# Altium PCB Cueing-PCB-Mk3_552024.PcbDoc (continued)
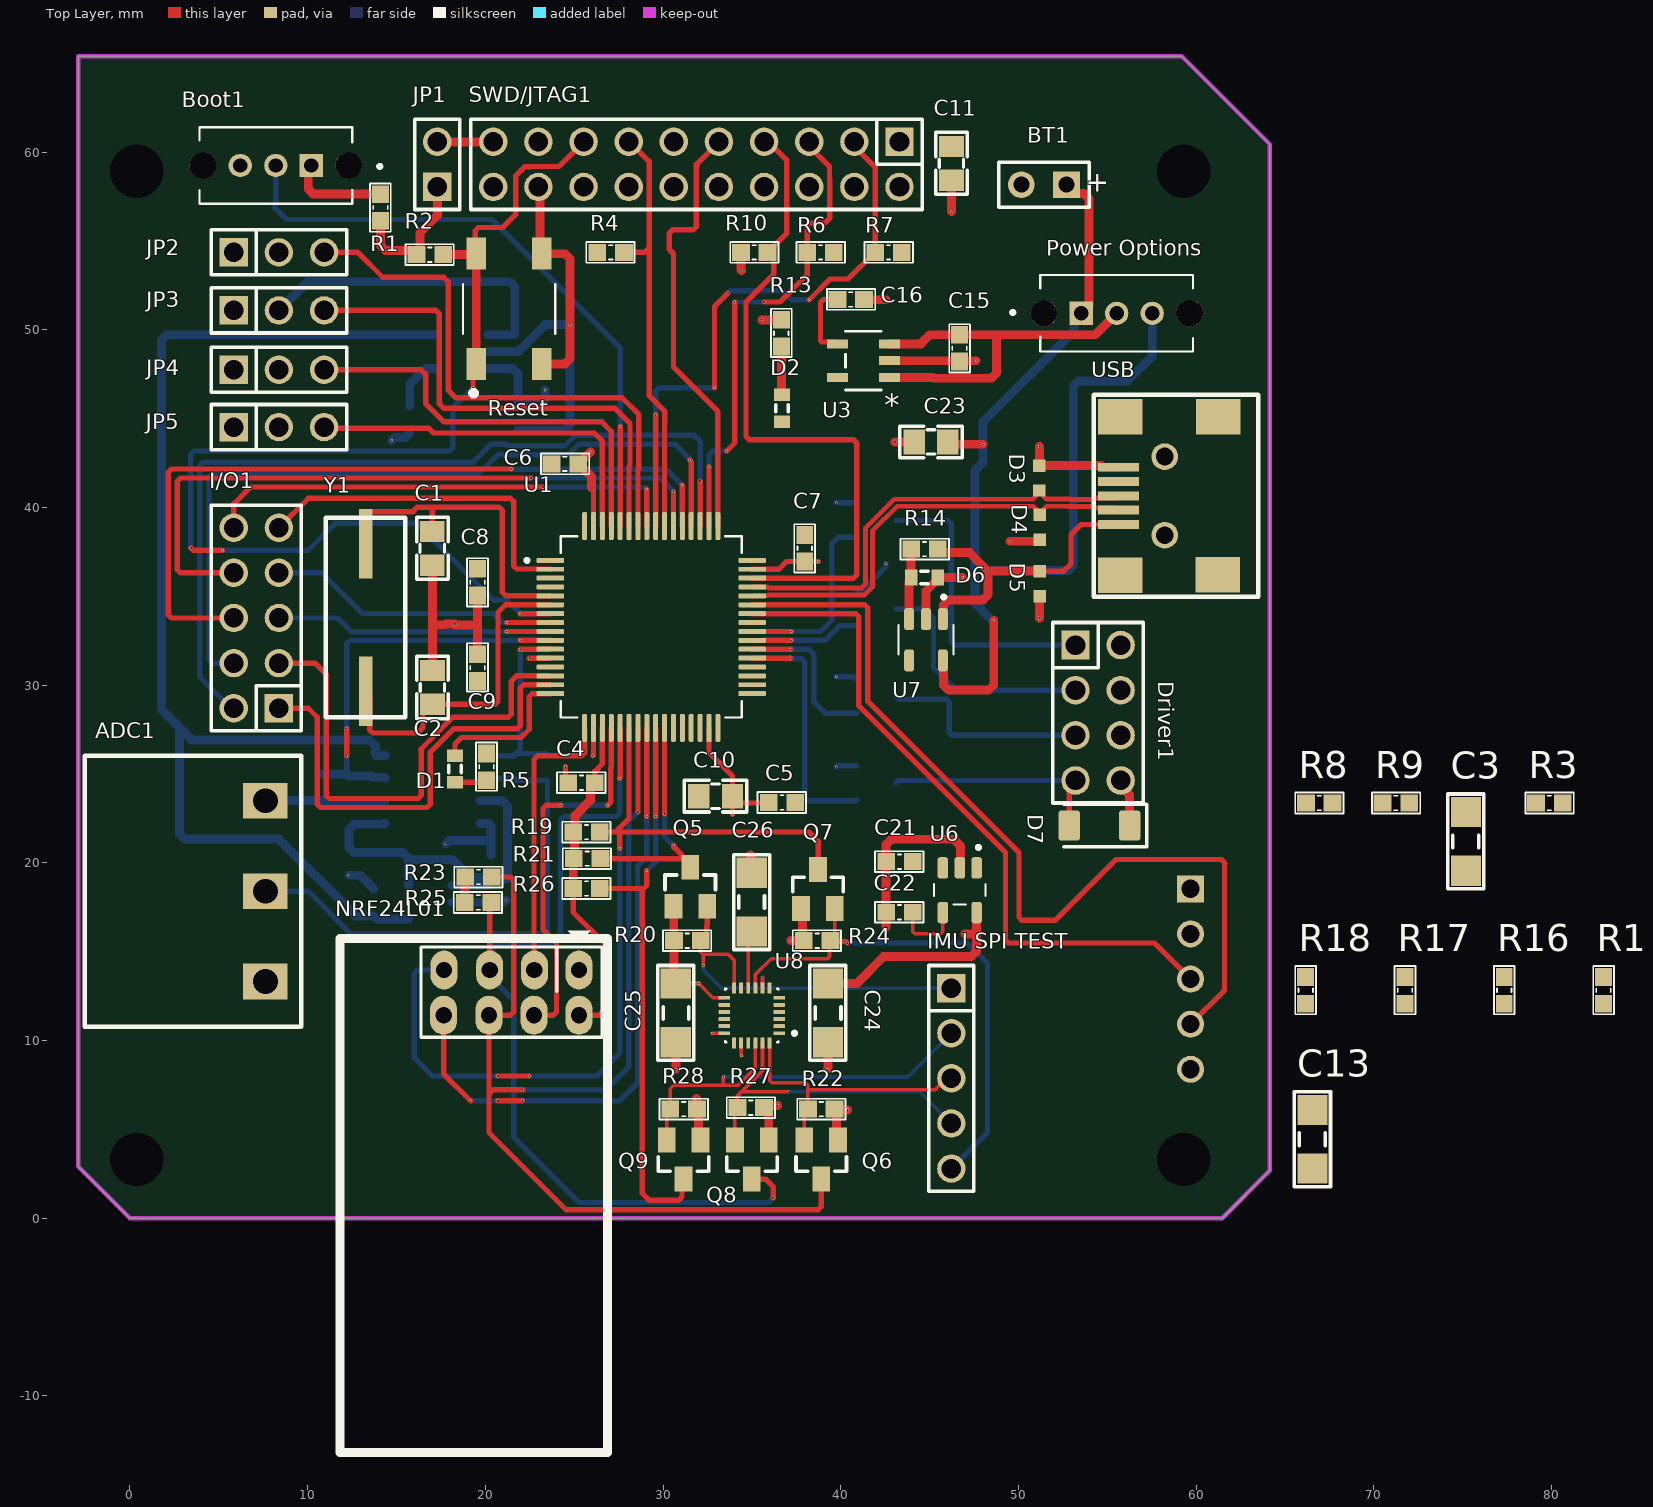
[diagram p0: Top Layer view]
## Footprints (in the part's own frame and the unit in brackets; to place one, negate y for a bottom-side part, rotate by r counter-clockwise, add the part's x,y. Pads: shape width x height; smd on the part's side, far side on the other; paste and mask are expansions set on the pad) (continued)
  silkscreen extent -4.9,-2.6 1.4,2.6
"tro smd 0603" [mm] "Chip Capacitor, 2-Leads, Body 1,60x0,80mm, IPC Medium Density"
  rect 1x0.95 smd mask+0.076: 1(-0.75,0) 2(0.75,0)
  silkscreen extent -1.35,-0.58 1.37,0.58, body extent -0.82,-0.42 0.82,0.43, height 0.44
"tu 0603" [mm] "Chip Capacitor, 2-Leads, Body 1,60x0,80mm, IPC Medium Density"
  rect 1x0.95 smd mask+0.076: 1(-0.75,0) 2(0.75,0)
  silkscreen extent -1.35,-0.58 1.37,0.58, body extent -0.8,-0.4 0.8,0.4, height 0.9
"tu 0805" [mm] "Compoment SMD 80x50mil"
  rect 1.2x1.4 smd: 1(-0.946,-0.003) 2(0.954,-0.003)
  silkscreen extent -1.75,-0.89 1.75,0.89, body extent -1.01,-0.64 1.01,0.63, height 0.61
"tu 1206" [mm]
  rect 1.7x1.7 smd: 1(-1.65,0) 2(1.65,0)
  silkscreen extent -2.67,-1.02 2.67,1.02, body extent -1.57,-0.8 1.63,0.8, height 0.94
TVS_AVRL161A1R1NTA [mm]
  rect 0.7x0.7 smd: 1(-0.7,0) 2(0.7,0)
  body extent -0.8,-0.4 0.8,0.4, height 0.95

## Part data
ADC1: "Cắm", Chung_Loai=Cắm, Don_Vi=Con, Ma_Hang=MH000760, Ten_Linh_Kien="CON 3 2EDG5.08-3P 5.08MM ( Xanh Cong)"
Boot1 "Power Options": "Switch Slide ON ON SPDT Top Slide 0.1A 12VDC 10000Cycles PC Pins Thru-Hole Bulk", Package=None, Availability=Unavailable, MF="{'manufacturer': u'C&K'}", MP=OS102011MS2QN1, Price=None
BT1: "Multicell Battery", LatestRevisionDate=17-Jul-2002, LatestRevisionNote="Re-released for DXP Platform.", PackageDescription="Battery; 2 Leads", PackageReference=BAT-2, Published=24-Mar-1999, Publisher="Altium Limited"
C1 C2: library part "Tu 0805 20pF 50V 10%", "Dán", Chung_Loai=Dán, Don_Vi=Con, Ma_Hang=MH004558, So_Chan=2, Ten_Linh_Kien="Tụ 0805 20P 10% 50V"
C3 C24 C25 C26: library part "Tu 1206 104 50V 20%", "Dán", Chung_Loai=Dán, Don_Vi=Con, Ma_Hang=MH004544, So_Chan=2, Ten_Linh_Kien="Tụ 1206 104-0.1uF 20% 50V"
C4 C5 C6 C7 C8 C9: library part "Tu 0603 103 50V 10%", "Dán", Chung_Loai=Dán, Don_Vi=Con, Ma_Hang=MH004567, So_Chan=2, Ten_Linh_Kien="Tụ 0603 103-10nF 10% 50V"
C10 C11: library part "Tu 0805 225 25V 10%", "Dán", Chung_Loai=Dán, Don_Vi=Con, Ma_Hang=MH007483, So_Chan=2, Ten_Linh_Kien="Tụ 0805 225-2.2uF 25V 10%"
C12 C14: library part "Tu 0603 470pF 50V 10%", "Dán", Chung_Loai=Dán, Don_Vi=Con, Ma_Hang=MH004571, So_Chan=2, Ten_Linh_Kien="Tụ 0603 470P 50V 10%"
C13: library part "Tu 1206 105 50V 20%", "Dán", Chung_Loai=Dán, Don_Vi=Con, Ma_Hang=MH004545, So_Chan=2, Ten_Linh_Kien="Tụ 1206 105-1uF 20% 50V"
C15 C16 C17 C18 C19 C20 C21 C22: library part "Tu 0603 105 16V 20%", "Dán", Chung_Loai=Dán, Don_Vi=Con, Ma_Hang=MH004574, So_Chan=2, Ten_Linh_Kien="Tụ 0603 105-1uF 20% 16V"
C23: library part "Tu 0805 10pF 50V 10%", "Dán", Chung_Loai=Dán, Don_Vi=Con, Ma_Hang=MH004554, So_Chan=2, Ten_Linh_Kien="Tụ 0805 10P 10% 50V"
D1 D2 D6: library part Diode, "Default Diode", PackageDocument=Sep-1996, Code_JEDEC=DO-214-AB, LatestRevisionDate=17-Jul-2002, LatestRevisionNote="Re-released for DXP Platform.", PackageReference=SMC, Published=8-Jun-2000, Publisher="Altium Limited"
D3 D4 D5 U2 U6 U7: Package=None, Availability=Unavailable, Price=None
  D3 D4 D5: MF="{'manufacturer': u'TDK'}", MP=AVRL161A1R1NTA
  U2: MF="{'manufacturer': u'Texas Instruments'}", MP=OPA2335AID
  U6: MF="{'manufacturer': u'Texas Instruments'}", MP=TPS73618DBVTG4
  U7: MF="{'manufacturer': u'Analog Devices'}", MP=MAX1555EZK+
Driver1: library part "JP 2x4 2.54 Duc Thang", "Cắm", Chung_Loai=Cắm, Don_Vi=Con, Ma_Hang=MH002686, Ten_Linh_Kien="Jump Đôi Đực 2.54MM 2x40P Thẳng 11MM"
I/O1: library part "JP 2x5 2.54 Duc Thang", "Cắm", Chung_Loai=Cắm, Don_Vi=Con, Ma_Hang=MH002686, Ten_Linh_Kien="Jump Đôi Đực 2.54MM 2x40P Thẳng 11MM"
"IMU SPI TEST": library part "JP 1x5 2.54 Duc Thang", "Cắm", Chung_Loai=Cắm, Don_Vi=Con, Ma_Hang=MH000903, Ten_Linh_Kien="Jump Đơn Đực 2.54MM 1x40P Thẳng 11MM"
JDY-18: library part "JP 1x5 2.54 Cai Cong", "Cắm", Chung_Loai=Cắm, Don_Vi=Con, Ma_Hang=MH001265, Ten_Linh_Kien="Jump Đơn Cái 2.54MM 1x40P Cong"
JP1: library part "JP 1x2 2.54 Duc Thang", "Cắm", Chung_Loai=Cắm, Don_Vi=Con, Ma_Hang=MH000903, Ten_Linh_Kien="Jump Đơn Đực 2.54MM 1x40P Thẳng 11MM"
JP2 JP3 JP4 JP5: library part "JP 1x3 2.54 Duc Thang", "Cắm", Chung_Loai=Cắm, Don_Vi=Con, Ma_Hang=MH000903, Ten_Linh_Kien="Jump Đơn Đực 2.54MM 1x40P Thẳng 11MM"
Q1 Q2 Q3 Q4 Q5 Q6 Q7 Q8 Q9: "<b>N-Channel MOSFET</b>    <a href=\"https://pricing.snapeda.com/parts/SI2312/Micro%20Commercial%20Components/view-part?ref=eda\">Check availability</a> <a href=\"https://pricing.snapeda.com/parts/SI2312/Micro%20Commercial%20Components/view-part?ref=eda\">Check availability</a>", Package=None, Availability=Unavailable, MF="{'manufacturer': u'Micro Commercial Components'}", MP=SI2312-TP, Price=None
R1 R2: library part "Tro 0603 1% 10k", "Dán", Chung_Loai=Dán, Don_Vi=Con, Ma_Hang=MH006333, So_Chan=2, Ten_Linh_Kien="Trở 0603 1% 10k"
R3 R4: library part "Tro 0603 1% 0R", "Dán", Chung_Loai=Dán, Don_Vi=Con, Ma_Hang=MH005792, So_Chan=2, Ten_Linh_Kien="Trở 0603 1% 0R"
R5 R14: library part "Tro 0603 1% 1k", "Dán", Chung_Loai=Dán, Don_Vi=Con, Ma_Hang=MH006334, So_Chan=2, Ten_Linh_Kien="Trở 0603 1% 1k"
R6 R7 R8 R9 R10: library part "Tro 0603 5% 4.7k", "Dán", Chung_Loai=Dán, Don_Vi=Con, Ma_Hang=MH006327, So_Chan=2, Ten_Linh_Kien="Trở 0603 5% 4.7k"
R11 R12: library part "Tro 0603 1% 3.9k", "Dán", Chung_Loai=Dán, Don_Vi=Con, Ma_Hang=MH005793, So_Chan=2, Ten_Linh_Kien="Trở 0603 1% 3.9k"
R13: library part "Tro 0603 5% 1k", "Dán", Chung_Loai=Dán, Don_Vi=Con, Ma_Hang=MH006319, So_Chan=2, Ten_Linh_Kien="Trở 0603 5% 1k"
R15 R16 R17 R18: library part "Tro 0603 5% 220R", "Dán", Chung_Loai=Dán, Don_Vi=Con, Ma_Hang=MH006322, So_Chan=2, Ten_Linh_Kien="Trở 0603 5% 220R"
R19 R20 R21 R22 R23 R24 R25 R26 R27 R28: library part "Tro 0603 5% 2.2k", "Dán", Chung_Loai=Dán, Don_Vi=Con, Ma_Hang=MH006321, So_Chan=2, Ten_Linh_Kien="Trở 0603 5% 2.2k"
Reset: "Switch Tactile N.O. SPST Button Gull Wing 0.05A 12VDC 0.98N SMD T/R", Package=None, Availability=Unavailable, MF="{'manufacturer': u'ALPS'}", MP=SKQGAFE010, Price=None
SWD/JTAG1: library part "JP 2x10 2.54 Duc Thang", "Cắm", Chung_Loai=Cắm, Don_Vi=Con, Ma_Hang=MH002686, Ten_Linh_Kien="Jump Đôi Đực 2.54MM 2x40P Thẳng 11MM"
U1: "MCU 32-Bit STM32 ARM Cortex M4 RISC 512KB Flash 2.5V/3.3V 64-Pin LQFP Tray", Package=None, Availability=Unavailable, MF="{'manufacturer': u'STMicroelectronics'}", MP=STM32F446RET6, Price=None
U3 U5: "No Description Available", Mfr_Name="Texas Instruments", RefDes=RefDes, Type=Type
U4: "Micropower, 400mV Reference with Rail-to-Rail Buffer Amplifier", Package=None, Availability=Unavailable, MF="{'manufacturer': u'Analog Devices'}", MP=LT6650IS5#TRPBF, Price=None
U8: "Accelerometer, Gyroscope, Magnetometer, 9 Axis Sensor IÂ²C, SPI Output", Package=None, Availability=Unavailable, MF="{'manufacturer': u'TDK InvenSense'}", MP=ICM-20948, Price=None
Y1: library part "Crystal 16MHz 20pF 2-Pin", "Crystal 16MHz 20pF 2-Pin HC-49/SD", Package="HC49/US Fox", Digi-Key_Part_Number=631-1017-2-ND, Digi-Key_Purchase_URL=https://www.digikey.tw/product-detail/en/fox-electronics/FC4SDCBMF16.0-T1/631-1017-2-ND/1024609?utm_source=snapeda&utm_medium=aggregator&utm_campaign=symbol, MF=Fox, MP=FOXSDLF/160-20, SnapEDA_Link=https://www.snapeda.com/parts/FOXSDLF/160-20/Fox%20Electronics/view-part/?ref=snap
D7: Datasheet=https://diotec.com/de/produktliste/SBD.html, ki_description="Schottky Diode", ki_keywords=Schottky, Reference=D

## Free pads (board coordinates)
  round 1.524 hole 3: 15(59.309,58.928) 17(0.381,58.928) 18(0.381,3.302) 19(59.309,3.302)

## Via types
v1: diameter 0.15, hole 0.1, Top Layer to Bottom Layer, 95 vias

## Nets (pads, with @x,y where several pads share a name; then routed paths per layer and width w, separated by ;. In a path a pad name is that pad's centre, name@x,y a point inside that pad or via, vN(x,y) a via of type N, cw(c..) or ccw(c..) an arc to the next point about the centre after c; other vN are vias at no path point)
0.4V: C18.1 U2.3 U2.5 U4.1 U4.5 | length 22.6
  Bottom Layer w0.5: U2.5 14.298,22.175 12.612,22.175 12.319,21.882 12.319,20.867 12.612,20.574 15.367,20.574 15.672,20.269 U4.5 ; 15.672,20.193 18.137,20.193 19.145,19.185 20.095,19.185 20.32,18.96 C18.1 ; U4.1 18.114,18.724 20.109,18.724 C18.1 ; U2.3 20.951,23.495 21.245,23.201 21.245,19.089 20.474,19.089 C18.1
+1.8V: C24.1 C25.1 Q5.1 Q6.1 Q7.1 Q8.1 Q9.1 R20.2 R22.2 R24.2 R27.2 R28.2 U6.5 U8.8 U8.13 | length 30
  Top Layer w0.2: v1(32.004,13.208) 32.801,12.409 U8.13 ; U8.8 v1(35.598,13.551)
  Top Layer w0.3: C25.1 v1(32.004,13.208)
  Top Layer w0.5: Q5.1 30.601,17.537 30.601,15.639 R20.2 30.619,13.308 C25.1 ; v1(31.877,6.731) 31.877,6.17 R28.2 32.006,6.041 32.006,4.5 Q9.1 ; R27.2 35.814,6.35 v1(36.449,6.35) ; R27.2@35.937,5.998 35.937,5.716 35.948,5.705 Q8.1 ; v1(37.211,15.621) R24.2 37.844,15.697 37.844,17.353 Q7.1 ; C24.1 40.893,13.207 42.418,14.732 47.357,14.732 47.649,15.025 47.649,15.875 ; R22.2 R22.2@39.698,6.096 ; Q6.1 39.753,4.5 39.753,6.041 R22.2@39.698,6.096 ; v1(40.386,6.096) R22.2@39.698,6.096 ; v1(46.99,16.002) 47.522,16.002 47.649,15.875 ; U6.5 47.649,15.875
+3.3V_STM32: C4.1 C5.1 C6.1 C7.1 C8.1 C9.1 C10.1 C11.1 C21.1 D2.1 JDY-18.2 JP1.1 NRF24L01.2 R1.2 R2.2 R5.2 R6.2 R7.2 R8.2 R9.2 R19.2 R21.2 R23.2 R25.2 R26.2 SWD/JTAG1.1 SWD/JTAG1.20 U1.1 U1.13 U1.19 U1.30 U1.32 U1.48 U1.64 U3.5 U6.1 U6.3 | length 28
  Top Layer w0.3: R26.2 24.944,17.22 26.797,15.367 26.797,11.811 26.416,11.43 NRF24L01.2 ; C4.1 26.162,25.151 26.587,25.576 U1.19
  Top Layer w0.5: R1.2 14.097,54.747 14.39,54.454 16.321,54.454 16.321,55.454 17.298,56.431 JP1.1 ; R25.2 18.855,17.779 18.855,19.19 R23.2 ; R26.2 R21.2@24.944,20.238 ; R19.2 25.054,21.842 25.054,22.658 25.912,23.516 25.912,24.286 26.137,24.511 C4.1 ; R21.2 25.019,20.278 R19.2@25.019,21.658
+5V: "Power Options.2" C15.1 C19.1 D7.K Driver1.5 Driver1.6 Driver1.7 Driver1.8 JP2.2 JP3.2 JP4.2 JP5.2 U3.1 U3.3 U5.1 U5.3 | length 48.6
  Top Layer w0.5: U3.1 45.197,47.31 45.235,47.271 48.475,47.271 48.768,47.564 48.768,49.721 ; U3.3 44.511,49.21 45.022,49.721 C15.1 48.768,49.721 ; 55.531,50.927 54.325,49.721 48.768,49.721 ; Driver1.5 55.753,24.335 56.261,23.827 D7.K
  Bottom Layer w0.5: JP3.2 9.996,52.705 21.363,52.705 21.656,52.412 21.656,49.718 U5.1 ; U5.3 21.551,47.818 21.844,47.525 C19.1 23.173,45.823 23.368,46.018 v1(23.368,46.609)
+AVCC: C13.1 C17.1 U2.8 U4.4 U5.5 | length 71.1
  Bottom Layer w0.5: U2.8 13.858,26.035 13.808,26.085 13.808,26.575 13.459,26.924 3.468,26.924 2.794,27.598 ; U4.4 15.668,16.844 13.89,16.844 C17.1 12.7,17.018 8.382,21.336 3.087,21.336 2.794,21.629 2.794,27.598 ; U5.5 2.071,49.718 1.778,49.425 1.778,28.614 2.794,27.598
+V_Bat: "Power Options.1" BT1.1 C23.1 U7.5 | length 38.5
  Top Layer w0.5: U7.5 45.774,31.371 45.774,30.011 46.067,29.718 48.316,29.718 48.609,30.011 v1(48.609,33.655) ; C23.1 46.161,43.561 v1(48.006,43.561) ; BT1.1@52.959,58.166 52.959,57.912 53.205,57.666 53.682,57.666 53.975,57.373 53.975,51.371 53.531,50.927
  Bottom Layer w0.5: v1(48.609,33.655) 48.514,33.655 47.56,34.609 47.56,42.099 48.006,42.545 v1(48.006,43.561) 48.006,44.831 53.132,49.957 53.132,50.528 53.531,50.927
+V_USB: "Power Options.3" D5.1 R14.2 U7.1 USB.1 | length 40.2
  Top Layer w0.3: D5.1 52.544,36.415 52.959,36.83 52.959,38.481 53.52,39.042 USB.1
  Top Layer w0.5: R14.2 45.658,37.465 47.244,37.465 v1(48.26,36.449) v1@48.294,36.415 ; U7.1 45.774,33.741 45.774,34.505 46.067,34.798 48.001,34.798 48.294,35.091 v1@48.294,36.415 ; D5.1 v1@48.294,36.415
  Bottom Layer w0.5: v1(48.26,36.449) 52.793,36.449 53.086,36.742 53.086,46.824 53.379,47.117 56.134,47.117 57.531,48.514 57.531,50.927
Boot: Boot1.2 U1.60 | length 35.2
  Top Layer w0.3: U1.60 v1(27.587,44.561)
  Bottom Layer w0.3: Boot1.2 8.207,56.975 8.125,56.893 8.813,56.206 20.375,56.206 27.587,48.994 v1(27.587,44.561)
GND: ADC1.1 Boot1.3 BT1.2 C1.2 C2.2 C3.2 C4.2 C5.2 C6.2 C7.2 C8.2 C9.2 C10.2 C11.2 C13.2 C15.2 C16.2 C17.2 C18.2 C19.2 C20.2 C21.2 C22.2 C23.2 C24.2 C25.2 C26.2 D3.2 D4.2 D5.2 D6.2 JDY-18.1 JP2.1 JP3.1 JP4.1 JP5.1 NRF24L01.1 pad.15 pad.17 pad.18 pad.19 Q1.2 Q2.2 Q3.2 Q4.2 R10.1 R13.2 Reset.3 Reset.4 SWD/JTAG1.11 SWD/JTAG1.12 SWD/JTAG1.13 SWD/JTAG1.14 SWD/JTAG1.15 SWD/JTAG1.16 SWD/JTAG1.17 SWD/JTAG1.18 SWD/JTAG1.19 U1.12 U1.18 U1.31 U1.47 U1.63 U2.4 U3.2 U4.2 U5.2 U6.2 U7.2 U8.18 U8.20 USB.5 | length 115.3
  Top Layer w0.2: v1(32.766,10.414) 32.771,10.409 U8.18 ; U8.20 34.408,9.854 34.408,9.153 v1(34.417,9.144)
  Top Layer w0.3: v1(22.479,31.524) U1.12 ; v1(24.511,25.4) 24.511,24.662 C4.2 ; 25.983,41.127 26.083,41.027 26.083,38.958 U1.63 ; v1(26.057,26.027) 26.087,26.057 U1.18 ; U1.31 32.587,26.214 33.909,24.892 C10.2 ; v1(33.909,22.733) C10.2 ; U1.47 36.524,36.524 36.957,36.957 C7.2 v1(38.735,36.957) ; C5.2 35.913,23.368 34.29,23.368 C10.2
  Top Layer w0.5: C1.2 17.017,36.75 17.017,33.401 ; C2.2 17.017,30.826 17.017,33.401 ; v1@18.288,33.401 18.294,33.395 19.558,33.395 ; v1(18.288,33.437) 17.76,33.437 17.724,33.401 17.017,33.401 ; C9.2 19.558,33.395 ; C8.2 19.558,33.395 ; SWD/JTAG1.12 23.086,57.94 23.086,54.38 Reset.4 24.472,54.281 24.765,53.988 v1(24.765,50.292) 24.765,48.374 24.472,48.081 Reset.3 ; v1(25.908,43.136) 25.908,43.107 25.48,42.679 25.455,42.679 C6.2 25.255,42.454 25.983,41.726 25.983,41.127 ; C25.2 30.72,8.396 v1(30.734,8.382) ; R10.1 34.384,53.373 v1(34.417,53.34) ; v1(34.925,20.447) 34.925,19.513 C26.2 ; v1(35.575,50.561) R13.2 ; v1(39.243,8.382) 39.279,8.418 C24.2 ; C16.2 41.335,51.689 v1(42.545,51.689) ; v1(42.545,16.383) 42.545,17.208 C22.2 C21.2 42.557,21.033 42.85,21.326 46.365,21.326 46.736,20.955 46.736,19.751 U6.2 ; U3.2 46.649,48.26 C15.2 46.727,48.26 v1(47.625,48.26) ; v1(43.053,43.688) 43.056,43.691 C23.2 ; U7.2 44.799,35.301 45.466,35.968 D6.2 v1(46.863,36.068) ; v1(46.228,56.642) C11.2 ; v1(49.53,38.1) 51.121,38.1 D4.2 ; v1(51.181,33.782) 51.181,34.986 D5.2 ; v1(51.181,43.434) D3.2 54.649,42.356 54.743,42.262 USB.5
  Bottom Layer w0.3: v1(39.751,25.4) 39.812,25.461 Q3.2 ; v1(39.751,30.48) 40.749,30.48 Q4.2 ; v1(39.751,40.259) 40.876,40.259 Q1.2 ; Q2.2 41.115,35.235 42.545,36.665 v1(42.545,36.83)
  Bottom Layer w0.5: v1(12.319,19.304) 12.955,19.304 13.716,18.543 C17.2 ; v1(14.732,43.78) 14.898,43.946 15.523,43.946 15.748,44.171 C20.2 ; v1(17.78,21.082) 17.957,21.259 20.32,21.259 ; U4.2 21.038,17.78 v1(21.165,17.907) ; U2.4 20.178,22.225 20.32,22.083 20.32,21.259 ; U5.2 21.844,48.768 23.368,50.292 v1(24.765,50.292) 24.765,44.616 24.472,44.323 C19.2 ; C18.2 20.32,21.259
IMU_CS: Q9.3 R26.1 U1.25 | length 33.4
  Top Layer w0.3: 28.829,18.555 28.829,1.397 29.21,1.016 30.891,1.016 31.066,1.192 31.066,2.11 Q9.3 ; v1(29.083,19.558) 29.083,18.731 28.907,18.555 27.686,18.555 27.432,18.555 ; U1.25 29.587,22.733 29.587,22.61 v1(29.591,22.606) ; 27.432,18.555 R26.1 26.469,18.555 27.432,18.555
  Bottom Layer w0.3: v1(29.083,19.558) 29.591,20.066 v1(29.591,22.606)
IMU_INT: Q5.3 R21.1 U1.26 | length 13
  Top Layer w0.3: R21.1 31.182,20.238 31.357,20.063 31.357,20.131 30.607,20.881 v1(30.607,20.955) ; v1(30.087,22.745) U1.26
  Bottom Layer w0.3: v1(30.087,22.745) 30.099,22.733 30.099,21.463 v1(30.607,20.955)
IMU_MISO: "IMU SPI TEST.5" Q7.2 R24.1 U8.9 | length 30
  Top Layer w0.2: U8.9 35.198,13.716 36.087,14.605 39.253,14.605 39.37,14.722 39.37,15.571 R24.1 39.669,15.869 Q7.2
  Top Layer w0.3: R24.1@39.37,15.571 40.309,15.571 v1(40.386,15.494)
  Bottom Layer w0.3: v1(40.386,15.494) 47.117,15.494 48.26,14.351 48.26,4.826 46.228,2.794
IMU_MOSI: "IMU SPI TEST.3" Q6.2 R22.1 U8.24 | length 15.9
  Top Layer w0.2: U8.24 35.998,7.737 36.115,7.62 38.036,7.62 38.153,7.503 38.153,7.239 ; Q6.2 37.953,5.941 R22.1 38.153,7.239 ; 46.228,7.874 45.942,7.874 45.307,7.239 38.153,7.239
IMU_SCK: "IMU SPI TEST.4" Q8.2 R27.1 U8.23 | length 18.8
  Top Layer w0.2: Q8.2 34.048,6.084 R27.1 34.187,6.882 34.417,7.112 ; U8.23 35.598,8.293 34.417,7.112 ; v1(37.084,7.112) 34.417,7.112
  Top Layer w0.5: Q8.2 Q8.2@34.117,4.469
  Bottom Layer w0.2: v1(37.084,7.112) 44.45,7.112 46.228,5.334
INPUT_1: ADC1.3 C14.2 R12.1 U2.6 | length 6.7
  Bottom Layer w0.5: ADC1.3 7.632,23.507 C14.2 R12.1 12.198,23.501 14.342,23.501 U2.6
INPUT_2: ADC1.2 C12.2 R11.1 U2.2 | length 29.2
  Bottom Layer w0.3: ADC1.2 10.046,18.402 12.446,16.002 23.319,16.002 23.495,16.178 23.495,24.638 C12.2@23.483,24.65 ; U2.2 21.602,24.765 R11.1 21.844,24.65 C12.2
LED1: Driver1.1 R15.2 | length 16.9
  Bottom Layer w0.3: 43.115,39.27 46.052,39.27 46.228,39.094 46.228,32.434 46.404,32.258 Driver1.1
LED2: Driver1.2 R16.2 | length 13.6
  Bottom Layer w0.3: 43.115,34.285 44.709,34.285 45.22,33.774 45.22,30.98 46.482,29.718 Driver1.2
LED3: Driver1.3 R18.2 | length 12
  Bottom Layer w0.3: 43.115,29.364 43.269,29.21 45.925,29.21 46.101,29.034 46.101,27.354 46.277,27.178 Driver1.3
NetBoot1_1: Boot1.1 R1.1 | length 5.6
  Top Layer w0.5: Boot1.1 10.033,59.073 10.033,57.927 10.326,57.634 R1.1
NetC1_1: C1.1 R3.2 Y1.1
NetC2_1: C2.1 R4.1 Y1.2
NetC16_1: C16.1 U3.4 | length 4.2
  Top Layer w0.3: U3.4 39.704,49.314 38.934,49.314 38.862,49.386 38.862,51.531 39.038,51.707 C16.1
NetC20_1: C20.1 U5.4 | length 3.1
  Bottom Layer w0.5: C20.1 15.748,46.946 16.616,47.814 17.198,47.814 U5.4
NetC22_1: C22.1 U6.4 | length 4
  Top Layer w0.2: C22.1 44.057,16.119 44.174,16.002 45.632,16.002 45.749,16.119 U6.4
NetC26_1: C26.1 U8.10 | length 3.3
  Top Layer w0.2: U8.10 34.798,15.94 C26.1
NetD1_1: D1.1 R5.1 | length 1.8
  Top Layer w0.3: D1.1 19.951,24.535 R5.1
NetD1_2: D1.2 U1.16 | length 8.3
  Top Layer w0.3: D1.2 18.288,26.678 18.661,27.051 22.002,27.051 22.471,27.52 22.471,29.348 22.647,29.524 U1.16
NetD2_2: D2.2 R13.1 | length 2.7
  Top Layer w0.5: R13.1 36.676,49.043 36.676,46.351 D2.2
NetD6_1: D6.1 R14.1 U7.3 | length 4
  Top Layer w0.5: U7.3 43.849,35.851 43.966,35.968 D6.1 R14.1
NetJP1_2: JP1.2 SWD/JTAG1.10 | length 3.1
  Top Layer w0.5: JP1.2 SWD/JTAG1.10
NetQ1_3: Q1.3 R15.1
NetQ2_3: Q2.3 R16.1
NetQ3_3: Q3.3 R17.1
NetQ4_3: Q4.3 R18.1
NRF24_CE: NRF24L01.3 U1.17 | length 16.3
  Top Layer w0.3: NRF24L01.3 22.741,13.987 22.741,25.83 22.934,26.023 25.411,26.023 25.587,26.199 U1.17
NRF24_CSN: NRF24L01.4 U1.20 | length 21.3
  Top Layer w0.3: NRF24L01.4 23.827,11.43 24.003,11.606 24.003,15.494 23.241,16.256 23.241,23.065 23.417,23.241 v1(24.257,23.241) ; v1(26.885,23.241) 27.06,23.417 27.06,25.338 27.087,25.365 U1.20
  Bottom Layer w0.3: v1(24.257,23.241) v1(26.885,23.241)
NRF24_INT: NRF24L01.8 U1.24 | length 35.5
  Top Layer w0.3: NRF24L01.8 17.653,8.128 v1(19.177,6.604) ; v1(20.706,6.604) v1(22.09,6.604) ; v1(29.083,22.606) 29.087,22.61 U1.24
  Bottom Layer w0.3: v1(19.177,6.604) v1(20.706,6.604) ; v1(22.09,6.604) 27.559,6.604 28.567,7.612 28.567,19.804 29.083,20.32 v1(29.083,22.606)
NRST: C3.1 R2.1 Reset.1 Reset.2 SWD/JTAG1.8 U1.7 | length 67.2
  Top Layer w0.3: v1(3.429,37.719) 3.556,37.592 v1(5.207,37.592) ; v1(19.304,46.736) 19.304,47.899 Reset.1 ; Reset.2@19.434,54.229 19.434,55.577 19.61,55.753 20.955,55.753 21.717,56.515 21.717,58.674 22.225,59.182 22.504,59.182 22.511,59.189 24.137,59.189 SWD/JTAG1.8 ; v1(21.971,34.024) U1.7
  Top Layer w0.5: R2.1 Reset.2@19.434,54.229 ; Reset.1 Reset.2
  Bottom Layer w0.3: v1(3.429,37.719) 3.429,43.004 3.605,43.18 17.985,43.18 18.161,43.356 18.161,45.593 v1(19.304,46.736) ; v1(5.207,37.592) 10.033,37.592 11.557,39.116 16.129,39.116 20.447,34.798 21.197,34.798 v1(21.971,34.024)
OSC_IN: R3.1 U1.5 | length 18.3
  Top Layer w0.3: 13.265,37.957 13.265,39.532 13.49,39.757 15.904,39.757 16.168,40.021 17.015,40.021 ; 17.015,38.653 17.015,40.021 ; U1.5 21.159,35.024 20.955,35.228 20.955,39.845 20.779,40.021 17.015,40.021
OSC_OUT: R4.2 U1.6 | length 18.9
  Top Layer w0.3: 13.265,29.657 13.49,29.432 13.49,27.481 13.666,27.305 16.184,27.305 16.487,27.608 16.487,28.474 16.937,28.924 20.533,28.924 20.709,29.1 20.709,34.102 21.131,34.524 U1.6
PA0: I/O1.2 U1.14 | length 27.9
  Top Layer w0.3: I/O1.2 10.414,31.242 11.041,30.615 11.041,23.798 11.217,23.622 16.215,23.622 16.391,23.798 16.391,26.424 18.161,28.194 21.287,28.194 21.463,28.37 21.463,30.226 21.761,30.524 U1.14
PA1: I/O1.1 U1.15 | length 26.3
  Top Layer w0.3: I/O1.1 10.033,28.702 10.541,28.194 10.541,23.29 10.717,23.114 16.715,23.114 16.891,23.29 16.891,26.217 18.225,27.551 21.795,27.551 21.971,27.727 21.971,29.845 22.15,30.024 U1.15
PB5: I/O1.6 U1.57 | length 27.1
  Top Layer w0.3: I/O1.6 5.842,40.205 6.785,41.148 v1(23.241,41.148) ; U1.57 v1(29.087,41.021)
  Bottom Layer w0.3: v1(23.241,41.148) 28.96,41.148 v1(29.087,41.021)
PB6: JP2.3 U1.58 | length 31.4
  Top Layer w0.3: JP2.3 12.827,54.356 14.224,52.959 17.653,52.959 17.907,52.705 17.907,46.609 18.332,46.184 27.675,46.184 28.636,45.223 28.636,42.163 28.587,42.113 U1.58
PB7: JP3.3 U1.59 | length 28.6
  Top Layer w0.3: JP3.3 17.223,51.091 17.399,50.915 17.399,45.847 17.653,45.593 27.262,45.593 28.136,44.719 28.136,42.37 28.087,42.32 U1.59
PB8: JP4.3 U1.61 | length 23.9
  Top Layer w0.3: JP4.3 16.382,47.753 16.637,47.498 16.637,45.847 17.653,44.831 26.543,44.831 27.083,44.291 27.083,39.939 27.087,39.935 U1.61
PB9: JP5.3 U1.62 | length 20.8
  Top Layer w0.3: JP5.3 10.998,44.45 16.819,44.45 17.073,44.196 26.129,44.196 26.583,43.742 26.583,39.584 26.587,39.58 U1.62
PC0: I/O1.4 U1.8 | length 16.4
  Top Layer w0.3: v1(21.209,33.528) 21.213,33.524 U1.8
  Bottom Layer w0.3: I/O1.4 10.795,36.322 13.081,34.036 20.447,34.036 20.955,33.528 v1(21.209,33.528)
PC1: I/O1.3 U1.9 | length 15.6
  Top Layer w0.3: v1(21.209,33.02) 21.213,33.024 U1.9
  Bottom Layer w0.3: I/O1.3 11.684,33.782 12.454,33.012 21.201,33.012 v1(21.209,33.02)
PC2: C14.1 R12.2 U1.10 U2.7 | length 22.7
  Top Layer w0.3: v1(12.192,26.035) v1(12.192,27.559) ; v1(21.971,32.524) U1.10
  Bottom Layer w0.3: R12.2 v1(12.192,26.035) ; v1(12.192,27.559) 12.192,32.336 12.368,32.512 21.408,32.512 21.42,32.524 v1(21.971,32.524)
  Bottom Layer w0.5: C14.1 R12.2 12.307,24.892 13.528,24.892 13.605,24.815 14.298,24.815 U2.7
PC3: C12.1 R11.2 U1.11 U2.1 | length 11.4
  Top Layer w0.3: v1(21.971,32.004) 21.991,32.024 U1.11
  Bottom Layer w0.3: U2.1 21.602,26.035 R11.2 ; v1(21.971,32.004) 21.971,26.404 R11.2 ; C12.1 R11.2
PC6: Q3.1 U1.37 | length 13.7
  Top Layer w0.3: U1.37 36.358,31.524 36.362,31.52 v1(37.195,31.52)
  Bottom Layer w0.3: v1(37.195,31.52) 37.219,31.496 37.797,31.496 37.973,31.32 37.973,23.671 38.149,23.495 40.849,23.495 Q3.1
PC7: Q4.1 U1.38 | length 9
  Top Layer w0.3: U1.38 37,32.024 37.004,32.02 v1(37.195,32.02)
  Bottom Layer w0.3: v1(37.195,32.02) 38.211,32.02 38.481,31.75 38.481,29.083 39.15,28.414 Q4.1
PC8: Q2.1 U1.39 | length 5.6
  Top Layer w0.3: U1.39@35.647,32.524 37.207,32.524 v1(37.211,32.52)
  Bottom Layer w0.3: v1(37.211,32.52) 39.124,32.52 39.939,33.335 Q2.1
PC9: Q1.1 U1.40 | length 10.6
  Top Layer w0.3: U1.40 v1(37.211,33.024)
  Bottom Layer w0.3: v1(37.211,33.024) 37.215,33.02 38.862,33.02 39.497,33.655 39.497,37.969 39.848,38.32 Q1.1
PC10: I/O1.10 U1.51 | length 48.4
  Top Layer w0.3: U1.51 v1(32.087,41.485)
  Bottom Layer w0.3: I/O1.10 5.692,28.702 3.929,30.465 3.929,42.369 4.105,42.545 19.304,42.545 20.32,43.561 21.136,43.561 21.224,43.473 24.471,43.473 25.059,44.061 31.758,44.061 32.087,43.732 v1(32.087,41.485)
PC11: I/O1.9 U1.52 | length 43.8
  Top Layer w0.3: v1(31.504,42.672) 31.587,42.589 U1.52
  Bottom Layer w0.3: I/O1.9 4.621,31.242 4.445,31.418 4.445,41.734 4.621,41.91 19.63,41.91 20.731,43.011 20.979,43.011 21.017,42.973 24.678,42.973 25.266,43.561 30.662,43.561 31.504,42.719 v1(31.504,42.672)
PC12: I/O1.8 U1.53 | length 43.5
  Top Layer w0.3: I/O1.8 2.335,33.782 2.159,33.958 2.159,41.988 2.335,42.164 v1(21.463,42.164) ; U1.53 v1(31.087,41.247)
  Bottom Layer w0.3: v1(21.463,42.164) 21.471,42.156 30.178,42.156 v1(31.087,41.247)
PC13: I/O1.5 U1.2 | length 19.7
  Top Layer w0.3: I/O1.5 10.041,40.521 21.414,40.521 21.59,40.345 21.59,36.71 21.766,36.534 23.647,36.534 U1.2
PD2: I/O1.7 U1.54 | length 37.8
  Top Layer w0.3: I/O1.7 2.843,36.322 2.667,36.498 2.667,41.48 2.843,41.656 v1(22.564,41.656) ; U1.54@30.587,39.584 v1(30.587,40.894)
  Bottom Layer w0.3: v1(22.564,41.656) 29.825,41.656 v1(30.587,40.894)
S_IMU_CS: "IMU SPI TEST.2" Q9.2 R28.1 U8.22 | length 24
  Top Layer w0.2: Q9.2 30.206,5.941 R28.1 30.406,7.292 30.607,7.493 33.401,7.493 ; v1(33.415,7.949) 33.401,7.935 33.401,7.493 ; U8.22 35.198,8.459 34.232,7.493 33.401,7.493
  Bottom Layer w0.2: v1(33.415,7.949) 43.763,7.949 46.228,10.414
S_IMU_INT: "IMU SPI TEST.1" Q5.2 R20.1 U8.12 | length 21.7
  Top Layer w0.2: R20.1 32.131,15.609 32.131,14.976 32.248,14.859 ; v1(32.258,14.224) 32.258,14.849 32.248,14.859 ; U8.12 33.998,14.516 33.655,14.859 32.248,14.859
  Top Layer w0.3: R20.1 32.144,15.621 32.469,15.946 32.469,16.465 32.482,16.478 Q5.2
  Bottom Layer w0.2: v1(32.258,14.224) 32.258,13.97 33.274,12.954 46.228,12.954
SPI_MISO: NRF24L01.7 Q7.3 R19.1 U1.22 | length 51.8
  Top Layer w0.3: v1(20.706,8.001) v1(22.479,8.001) ; R19.1 27.32,21.732 ; v1(27.559,20.828) 27.559,21.732 ; U1.22 28.087,22.499 27.32,21.732 ; Q7.3 38.735,19.645 38.735,21.209 38.212,21.732 27.559,21.732 ; 27.32,21.732 27.559,21.732
  Bottom Layer w0.3: NRF24L01.7 16.178,13.97 16.002,13.794 16.002,9.017 17.018,8.001 v1(20.706,8.001) ; v1(22.479,8.001) 26.289,8.001 27.559,9.271 v1(27.559,20.828)
SPI_MOSI: NRF24L01.6 Q6.3 R23.1 U1.23 | length 66.7
  Top Layer w0.3: R23.1 21.414,19.201 21.59,19.025 21.59,11.606 21.414,11.43 NRF24L01.6 20.206,6.985 ; v1(22.098,7.239) 20.46,7.239 20.206,6.985 ; v1(28.587,22.86) U1.23 ; Q6.3 38.903,0.653 38.727,0.477 24.542,0.477 20.206,4.813 20.206,6.985
  Bottom Layer w0.3: v1(22.098,7.239) 26.797,7.239 28.067,8.509 28.067,22.34 v1(28.587,22.86)
SPI_SCK: NRF24L01.5 Q8.3 R25.1 U1.21 | length 52.2
  Top Layer w0.3: NRF24L01.5 20.244,17.668 R25.1 ; v1(27.56,24.765) 27.56,24.766 27.587,24.793 U1.21 ; Q8.3 35.773,2.2 36.195,1.778 v1(36.195,1.143)
  Bottom Layer w0.3: v1(27.56,24.765) 27.56,22.782 27.385,22.606 24.42,22.606 24.244,22.43 24.244,16.083 23.573,15.412 20.597,15.412 20.422,15.236 20.422,13.818 20.244,13.64 21.59,12.294 21.59,4.572 25.273,0.889 35.941,0.889 v1(36.195,1.143)
TCK: R7.1 SWD/JTAG1.5 U1.49 | length 24.6
  Top Layer w0.3: U1.49 33.087,45.399 30.591,47.895 30.591,54.279 30.514,54.356 30.353,54.517 30.353,55.45 30.529,55.626 31.701,55.626 31.877,55.802 31.877,59.309 SWD/JTAG1.5
TDI: R8.1 SWD/JTAG1.3 U1.50 | length 27.3
  Top Layer w0.3: U1.50 v1(32.587,42.291) ; v1(33.587,43.18) 34.036,43.629 v1(34.036,51.562) ; v1(35.687,51.562) 36.576,51.562 38.112,53.098 38.112,54.356 38.112,55.831 38.288,56.007 39.116,56.007 39.377,56.268 39.377,58.515 39.37,58.522 39.37,59.182 38.227,60.325 SWD/JTAG1.3
  Bottom Layer w0.3: v1(32.587,42.291) 32.587,42.96 32.807,43.18 v1(33.587,43.18) ; v1(34.036,51.562) v1(35.687,51.562)
TDO: R6.1 SWD/JTAG1.7 U1.55 | length 24
  Top Layer w0.3: 27.801,54.356 28.956,54.356 29.217,54.617 ; SWD/JTAG1.7 28.115,60.579 29.217,59.477 29.217,54.617 ; U1.55 30.087,44.318 30.087,44.732 30.091,44.736 30.091,45.419 29.217,46.293 29.217,54.617
TMS: R10.2 SWD/JTAG1.4 U1.46 | length 38.3
  Top Layer w0.3: U1.46 40.718,36.024 40.894,36.2 40.894,43.639 40.718,43.815 34.847,43.815 34.671,43.991 34.671,51.562 36.228,53.119 36.228,54.031 R10.2@35.903,54.356 ; SWD/JTAG1.4 35.941,60.579 36.957,59.563 36.957,55.429 36.234,54.706 36.234,54.681 35.909,54.356 R10.2@35.903,54.356 ; R10.2 R10.2@35.903,54.356
TRST: R9.1 SWD/JTAG1.2 U1.56 | length 33
  Top Layer w0.3: U1.56 29.587,43.303 29.587,45.208 v1(29.591,45.212) ; v1(32.893,46.736) 32.893,51.308 v1(33.655,52.07) ; v1(38.227,51.689) 39.398,52.86 40.417,52.86 41.913,54.356 41.938,54.356 41.938,59.154 40.767,60.325 SWD/JTAG1.2
  Bottom Layer w0.3: v1(29.591,45.212) 29.591,46.56 29.767,46.736 v1(32.893,46.736) ; v1(33.655,52.07) 33.782,52.197 36.703,52.197 37.211,51.689 v1(38.227,51.689)
UART_Rx: JDY-18.4 U1.43 | length 50.5
  Top Layer w0.3: U1.43 41.353,34.524 41.529,34.348 41.529,29.083 50.038,20.574 50.038,16.94 50.214,16.764 52.07,16.764 55.499,20.193 61.419,20.193 61.595,20.017 61.595,12.827 JDY-18.4
UART_Tx: JDY-18.3 U1.42 | length 39
  Top Layer w0.3: U1.42 40.845,34.024 41.021,33.848 41.021,28.829 49.276,20.574 49.276,15.67 49.452,15.494 57.658,15.494 JDY-18.3
USB_N: D4.1 U1.44 USB.2 | length 25.2
  Top Layer w0.269: U1.44 35.023,35.03 35.874,35.03 35.921,35.076 41.342,35.076 41.783,35.518 41.783,38.678 43.174,40.069 50.837,40.069 50.994,39.911 50.994,39.805 D4.1 51.425,39.805 51.425,39.917 51.583,40.075 52.767,40.075 52.788,40.054 54.291,40.054 54.378,39.968 55.527,39.968 USB.2
USB_P: D3.1 U1.45 USB.3 | length 25.2
  Top Layer w0.269: U1.45 35.023,35.518 35.874,35.518 35.921,35.472 41.178,35.472 41.387,35.681 41.387,38.842 43.01,40.464 50.808,40.464 50.965,40.622 50.965,40.74 D3.1 51.397,40.74 51.397,40.628 51.554,40.47 52.931,40.47 52.952,40.45 54.291,40.45 54.378,40.536 55.527,40.536 USB.3
Vibrator: D7.A Driver1.4 R17.2 | length 12.8
  Top Layer w0.3: D7.A 52.861,23.929 53.213,24.281 Driver1.4
  Bottom Layer w0.3: 43.115,24.511 43.242,24.638 Driver1.4
pads on no net: "Power Options." Boot1. JDY-18.5 SWD/JTAG1.6 SWD/JTAG1.9 U1.3 U1.4 U1.27 U1.28 U1.29 U1.33 U1.34 U1.35 U1.36 U1.41 U4.3 U7.4 U8.1 U8.2 U8.3 U8.4 U8.5 U8.6 U8.7 U8.11 U8.14 U8.15 U8.16 U8.17 U8.19 U8.21 USB. USB.4 USB.6 USB.7 USB.8 USB.9

## Keep-outs
Keep-Out Layer:
  the board outline again, w0.254

## Text inside footprints (layer, text, board x,y; h text height)
BT1: Top Overlay "+" at 55.105,58.743 h1.15 r180
U3: Top Overlay "*" at 43.313,46.929 h1.27 r180; Mechanical 13 "*" at 42.215,47.894 h1.27 r180
U5: Mechanical 13 "*" at 19.609,49.134 h1.27; Bottom Overlay "*" at 20.707,50.099 h1.27